# KiCad board Leopold Replacement.kicad_pcb (continued)
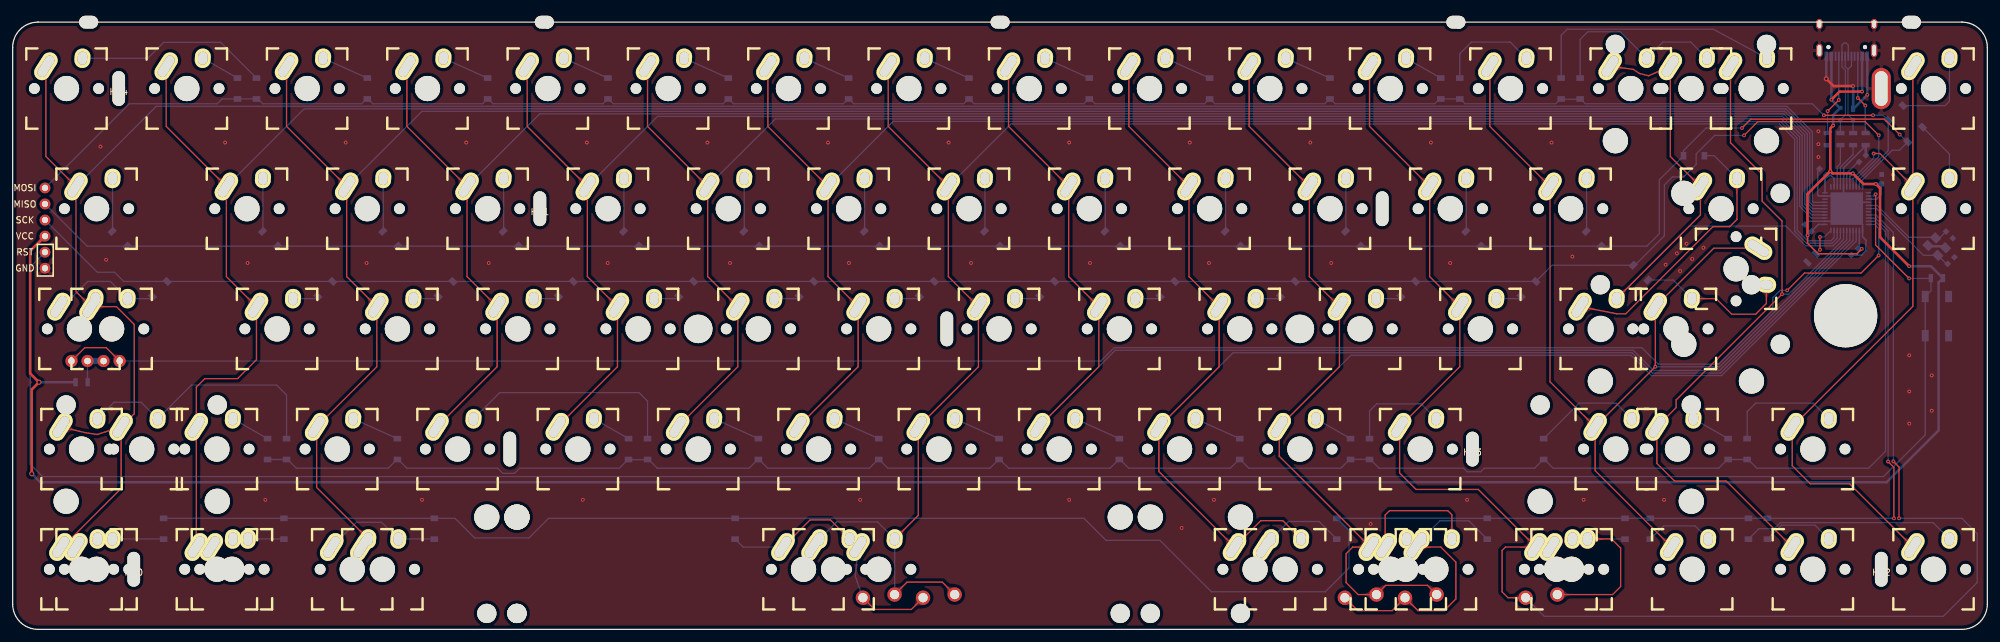
[diagram p0: board, top side]
## Copper pours and planes (outline as drawn; the poured copper is in the pictures) (continued)
Col2 on Top: 43.37,86.58 43.37,86.68 43.38,86.78 43.39,86.87 43.4,86.96 43.42,87.04 43.44,87.12 43.46,87.19 43.48,87.25 43.51,87.31 43.54,87.37 43.57,87.43 43.61,87.48 43.64,87.53 43.68,87.58 44.03,87.97 44.08,88.03 44.12,88.09 44.17,88.15 44.22,88.21 44.26,88.28 44.31,88.36 44.35,88.44 44.4,88.52 43.27,89.69 42.15,88.52 42.19,88.44 42.23,88.36 42.28,88.28 42.32,88.21 42.37,88.15 42.42,88.09 42.46,88.03 42.51,87.97 42.86,87.58 42.9,87.53 42.93,87.48 42.97,87.43 43,87.37 43.03,87.31 43.06,87.25 43.08,87.19 43.1,87.12 43.12,87.04 43.14,86.96 43.15,86.87 43.16,86.78 43.17,86.68 43.17,86.58
Col2 on Top: 50.94,71.75 51.02,71.67 51.08,71.59 51.14,71.52 51.19,71.45 51.24,71.38 51.28,71.32 51.31,71.25 51.34,71.19 51.37,71.12 51.39,71.06 51.4,71 51.42,70.94 51.43,70.87 51.43,70.81 51.46,70.29 51.47,70.22 51.48,70.14 51.49,70.07 51.5,69.99 51.52,69.91 51.54,69.82 51.56,69.74 51.59,69.65 53.22,69.61 53.19,71.24 53.09,71.27 53.01,71.29 52.92,71.31 52.84,71.33 52.76,71.34 52.69,71.35 52.61,71.36 52.54,71.37 52.02,71.4 51.96,71.4 51.89,71.41 51.83,71.43 51.77,71.44 51.71,71.46 51.64,71.49 51.58,71.52 51.51,71.55 51.45,71.59 51.38,71.64 51.31,71.69 51.24,71.75 51.16,71.81 51.09,71.89
Col2 on Top: 52.88,67.57 52.88,67.67 52.88,67.77 52.89,67.86 52.91,67.95 52.92,68.03 52.94,68.11 52.96,68.18 52.99,68.24 53.02,68.3 53.05,68.36 53.08,68.42 53.11,68.47 53.15,68.52 53.19,68.57 53.54,68.96 53.58,69.02 53.63,69.08 53.68,69.14 53.72,69.2 53.77,69.27 53.81,69.35 53.86,69.43 53.9,69.51 52.77,70.68 51.65,69.51 51.69,69.43 51.74,69.35 51.78,69.27 51.83,69.2 51.87,69.14 51.92,69.08 51.97,69.02 52.01,68.96 52.36,68.57 52.4,68.52 52.44,68.47 52.47,68.42 52.5,68.36 52.53,68.3 52.56,68.24 52.59,68.18 52.61,68.11 52.63,68.03 52.64,67.95 52.66,67.86 52.67,67.77 52.67,67.67 52.67,67.57
Col2 on Top: 55.7,52.74 55.77,52.66 55.84,52.58 55.89,52.51 55.95,52.44 55.99,52.37 56.03,52.31 56.07,52.24 56.09,52.18 56.12,52.11 56.14,52.05 56.16,51.99 56.17,51.93 56.18,51.86 56.19,51.8 56.22,51.28 56.22,51.21 56.23,51.13 56.24,51.06 56.25,50.98 56.27,50.9 56.29,50.81 56.32,50.73 56.35,50.64 57.97,50.6 57.94,52.23 57.85,52.26 57.76,52.28 57.67,52.3 57.59,52.32 57.51,52.33 57.44,52.34 57.36,52.35 57.29,52.36 56.77,52.39 56.71,52.39 56.65,52.4 56.58,52.42 56.52,52.43 56.46,52.45 56.4,52.48 56.33,52.51 56.27,52.54 56.2,52.58 56.13,52.63 56.06,52.68 55.99,52.74 55.91,52.8 55.84,52.88
Col2 on Top: 49.71,33.87 49.64,33.79 49.56,33.73 49.49,33.67 49.42,33.62 49.35,33.57 49.28,33.53 49.22,33.5 49.15,33.47 49.09,33.44 49.03,33.42 48.97,33.41 48.9,33.39 48.84,33.38 48.78,33.38 48.26,33.35 48.19,33.34 48.11,33.33 48.04,33.32 47.96,33.31 47.88,33.29 47.79,33.27 47.7,33.25 47.61,33.22 47.58,31.59 49.2,31.63 49.23,31.72 49.26,31.8 49.28,31.89 49.3,31.97 49.31,32.05 49.32,32.12 49.33,32.2 49.33,32.27 49.36,32.79 49.37,32.85 49.38,32.92 49.39,32.98 49.41,33.04 49.43,33.1 49.46,33.17 49.48,33.23 49.52,33.3 49.56,33.36 49.6,33.43 49.66,33.5 49.71,33.57 49.78,33.65 49.85,33.73
Col2 on Bottom: 54.46,71.89 54.39,71.81 54.31,71.75 54.24,71.69 54.17,71.64 54.1,71.59 54.04,71.55 53.97,71.52 53.91,71.49 53.84,71.46 53.78,71.44 53.72,71.43 53.66,71.41 53.59,71.4 53.53,71.4 53.01,71.37 52.94,71.36 52.86,71.35 52.79,71.34 52.71,71.33 52.63,71.31 52.54,71.29 52.46,71.27 52.36,71.24 52.33,69.61 53.96,69.65 53.99,69.74 54.01,69.82 54.03,69.91 54.05,69.99 54.06,70.07 54.07,70.14 54.08,70.22 54.09,70.29 54.12,70.81 54.12,70.87 54.13,70.94 54.15,71 54.16,71.06 54.18,71.12 54.21,71.19 54.24,71.25 54.27,71.32 54.31,71.38 54.36,71.45 54.41,71.52 54.47,71.59 54.53,71.67 54.61,71.75
Col3 on Top: 71.89,67.57 71.89,67.67 71.89,67.77 71.9,67.86 71.92,67.95 71.93,68.03 71.95,68.11 71.97,68.18 72,68.24 72.03,68.3 72.06,68.36 72.09,68.42 72.12,68.47 72.16,68.52 72.2,68.57 72.55,68.96 72.59,69.02 72.64,69.08 72.69,69.14 72.73,69.2 72.78,69.27 72.82,69.35 72.87,69.43 72.91,69.51 71.78,70.68 70.66,69.51 70.7,69.43 70.75,69.35 70.79,69.27 70.84,69.2 70.88,69.14 70.93,69.08 70.98,69.02 71.02,68.96 71.37,68.57 71.41,68.52 71.45,68.47 71.48,68.42 71.51,68.36 71.54,68.3 71.57,68.24 71.6,68.18 71.62,68.11 71.64,68.03 71.65,67.95 71.67,67.86 71.68,67.77 71.68,67.67 71.69,67.57
Col3 on Top: 68.72,33.87 68.65,33.79 68.57,33.73 68.5,33.67 68.43,33.62 68.36,33.57 68.29,33.53 68.23,33.5 68.16,33.47 68.1,33.44 68.04,33.42 67.98,33.41 67.91,33.39 67.85,33.38 67.79,33.38 67.27,33.35 67.2,33.34 67.12,33.33 67.05,33.32 66.97,33.31 66.89,33.29 66.8,33.27 66.71,33.25 66.62,33.22 66.59,31.59 68.21,31.63 68.24,31.72 68.27,31.8 68.29,31.89 68.31,31.97 68.32,32.05 68.33,32.12 68.34,32.2 68.34,32.27 68.37,32.79 68.38,32.85 68.39,32.92 68.4,32.98 68.42,33.04 68.44,33.1 68.47,33.17 68.49,33.23 68.53,33.3 68.57,33.36 68.61,33.43 68.67,33.5 68.72,33.57 68.79,33.65 68.86,33.73
Col3 on Top: 69.95,71.75 70.03,71.67 70.09,71.59 70.15,71.52 70.2,71.45 70.25,71.38 70.29,71.32 70.32,71.25 70.35,71.19 70.38,71.12 70.4,71.06 70.41,71 70.43,70.94 70.44,70.87 70.44,70.81 70.47,70.29 70.48,70.22 70.49,70.14 70.5,70.07 70.51,69.99 70.53,69.91 70.55,69.82 70.57,69.74 70.6,69.65 72.23,69.61 72.2,71.24 72.1,71.27 72.02,71.29 71.93,71.31 71.85,71.33 71.77,71.34 71.7,71.35 71.62,71.36 71.55,71.37 71.03,71.4 70.97,71.4 70.9,71.41 70.84,71.43 70.78,71.44 70.72,71.46 70.65,71.49 70.59,71.52 70.52,71.55 70.46,71.59 70.39,71.64 70.32,71.69 70.25,71.75 70.17,71.81 70.1,71.89
Col3 on Top: 76.64,48.56 76.64,48.66 76.65,48.76 76.65,48.85 76.67,48.94 76.68,49.02 76.7,49.1 76.73,49.17 76.75,49.23 76.78,49.29 76.81,49.35 76.84,49.41 76.88,49.46 76.91,49.51 76.95,49.56 77.3,49.95 77.35,50.01 77.39,50.07 77.44,50.13 77.48,50.19 77.53,50.26 77.58,50.34 77.62,50.42 77.66,50.5 76.54,51.67 75.41,50.5 75.46,50.42 75.5,50.34 75.54,50.26 75.59,50.19 75.64,50.13 75.68,50.07 75.73,50.01 75.78,49.95 76.12,49.56 76.16,49.51 76.2,49.46 76.23,49.41 76.27,49.35 76.3,49.29 76.32,49.23 76.35,49.17 76.37,49.1 76.39,49.02 76.41,48.94 76.42,48.85 76.43,48.76 76.44,48.66 76.44,48.56
Col3 on Top: 74.71,52.74 74.78,52.66 74.85,52.58 74.9,52.51 74.96,52.44 75,52.37 75.04,52.31 75.08,52.24 75.1,52.18 75.13,52.11 75.15,52.05 75.17,51.99 75.18,51.93 75.19,51.86 75.2,51.8 75.23,51.28 75.23,51.21 75.24,51.13 75.25,51.06 75.26,50.98 75.28,50.9 75.3,50.81 75.33,50.73 75.36,50.64 76.98,50.6 76.95,52.23 76.86,52.26 76.77,52.28 76.68,52.3 76.6,52.32 76.52,52.33 76.45,52.34 76.37,52.35 76.3,52.36 75.78,52.39 75.72,52.39 75.66,52.4 75.59,52.42 75.53,52.43 75.47,52.45 75.41,52.48 75.34,52.51 75.28,52.54 75.21,52.58 75.14,52.63 75.07,52.68 75,52.74 74.92,52.8 74.85,52.88
Col3 on Top: 62.38,86.58 62.38,86.68 62.39,86.78 62.4,86.87 62.41,86.96 62.43,87.04 62.45,87.12 62.47,87.19 62.49,87.25 62.52,87.31 62.55,87.37 62.58,87.43 62.62,87.48 62.65,87.53 62.69,87.58 63.04,87.97 63.09,88.03 63.13,88.09 63.18,88.15 63.23,88.21 63.27,88.28 63.32,88.36 63.36,88.44 63.41,88.52 62.28,89.69 61.16,88.52 61.2,88.44 61.24,88.36 61.29,88.28 61.33,88.21 61.38,88.15 61.43,88.09 61.47,88.03 61.52,87.97 61.87,87.58 61.91,87.53 61.94,87.48 61.98,87.43 62.01,87.37 62.04,87.31 62.07,87.25 62.09,87.19 62.11,87.12 62.13,87.04 62.15,86.96 62.16,86.87 62.17,86.78 62.18,86.68 62.18,86.58
Col3 on Bottom: 73.47,71.89 73.4,71.81 73.32,71.75 73.25,71.69 73.18,71.64 73.11,71.59 73.05,71.55 72.98,71.52 72.92,71.49 72.85,71.46 72.79,71.44 72.73,71.43 72.67,71.41 72.6,71.4 72.54,71.4 72.02,71.37 71.95,71.36 71.87,71.35 71.8,71.34 71.72,71.33 71.64,71.31 71.55,71.29 71.47,71.27 71.37,71.24 71.34,69.61 72.97,69.65 73,69.74 73.02,69.82 73.04,69.91 73.06,69.99 73.07,70.07 73.08,70.14 73.09,70.22 73.1,70.29 73.13,70.81 73.13,70.87 73.14,70.94 73.16,71 73.17,71.06 73.19,71.12 73.22,71.19 73.25,71.25 73.28,71.32 73.32,71.38 73.37,71.45 73.42,71.52 73.48,71.59 73.54,71.67 73.62,71.75
Col4 on Top: 81.39,86.58 81.39,86.68 81.4,86.78 81.41,86.87 81.42,86.96 81.44,87.04 81.46,87.12 81.48,87.19 81.5,87.25 81.53,87.31 81.56,87.37 81.59,87.43 81.63,87.48 81.66,87.53 81.7,87.58 82.05,87.97 82.1,88.03 82.14,88.09 82.19,88.15 82.24,88.21 82.28,88.28 82.33,88.36 82.37,88.44 82.42,88.52 81.29,89.69 80.17,88.52 80.21,88.44 80.25,88.36 80.3,88.28 80.34,88.21 80.39,88.15 80.44,88.09 80.48,88.03 80.53,87.97 80.88,87.58 80.92,87.53 80.95,87.48 80.99,87.43 81.02,87.37 81.05,87.31 81.08,87.25 81.1,87.19 81.12,87.12 81.14,87.04 81.16,86.96 81.17,86.87 81.18,86.78 81.19,86.68 81.19,86.58
Col4 on Top: 88.96,71.75 89.04,71.67 89.1,71.59 89.16,71.52 89.21,71.45 89.26,71.38 89.3,71.32 89.33,71.25 89.36,71.19 89.39,71.12 89.41,71.06 89.42,71 89.44,70.94 89.45,70.87 89.45,70.81 89.48,70.29 89.49,70.22 89.5,70.14 89.51,70.07 89.52,69.99 89.54,69.91 89.56,69.82 89.58,69.74 89.61,69.65 91.24,69.61 91.21,71.24 91.11,71.27 91.03,71.29 90.94,71.31 90.86,71.33 90.78,71.34 90.71,71.35 90.63,71.36 90.56,71.37 90.04,71.4 89.98,71.4 89.91,71.41 89.85,71.43 89.79,71.44 89.73,71.46 89.66,71.49 89.6,71.52 89.53,71.55 89.47,71.59 89.4,71.64 89.33,71.69 89.26,71.75 89.18,71.81 89.11,71.89
Col4 on Top: 93.72,52.74 93.79,52.66 93.86,52.58 93.91,52.51 93.97,52.44 94.01,52.37 94.05,52.31 94.09,52.24 94.11,52.18 94.14,52.11 94.16,52.05 94.18,51.99 94.19,51.93 94.2,51.86 94.21,51.8 94.24,51.28 94.24,51.21 94.25,51.13 94.26,51.06 94.27,50.98 94.29,50.9 94.31,50.81 94.34,50.73 94.37,50.64 95.99,50.6 95.96,52.23 95.87,52.26 95.78,52.28 95.69,52.3 95.61,52.32 95.53,52.33 95.46,52.34 95.38,52.35 95.31,52.36 94.79,52.39 94.73,52.39 94.67,52.4 94.6,52.42 94.54,52.43 94.48,52.45 94.42,52.48 94.35,52.51 94.29,52.54 94.22,52.58 94.15,52.63 94.08,52.68 94.01,52.74 93.93,52.8 93.86,52.88
Col4 on Top: 95.65,48.56 95.65,48.66 95.66,48.76 95.66,48.85 95.68,48.94 95.69,49.02 95.71,49.1 95.74,49.17 95.76,49.23 95.79,49.29 95.82,49.35 95.85,49.41 95.89,49.46 95.92,49.51 95.96,49.56 96.31,49.95 96.36,50.01 96.4,50.07 96.45,50.13 96.49,50.19 96.54,50.26 96.59,50.34 96.63,50.42 96.67,50.5 95.55,51.67 94.42,50.5 94.47,50.42 94.51,50.34 94.55,50.26 94.6,50.19 94.65,50.13 94.69,50.07 94.74,50.01 94.79,49.95 95.13,49.56 95.17,49.51 95.21,49.46 95.24,49.41 95.28,49.35 95.31,49.29 95.33,49.23 95.36,49.17 95.38,49.1 95.4,49.02 95.42,48.94 95.43,48.85 95.44,48.76 95.45,48.66 95.45,48.56
Col4 on Top: 87.73,33.87 87.66,33.79 87.58,33.73 87.51,33.67 87.44,33.62 87.37,33.57 87.3,33.53 87.24,33.5 87.17,33.47 87.11,33.44 87.05,33.42 86.99,33.41 86.92,33.39 86.86,33.38 86.8,33.38 86.28,33.35 86.21,33.34 86.13,33.33 86.06,33.32 85.98,33.31 85.9,33.29 85.81,33.27 85.72,33.25 85.63,33.22 85.6,31.59 87.22,31.63 87.25,31.72 87.28,31.8 87.3,31.89 87.32,31.97 87.33,32.05 87.34,32.12 87.35,32.2 87.35,32.27 87.38,32.79 87.39,32.85 87.4,32.92 87.41,32.98 87.43,33.04 87.45,33.1 87.48,33.17 87.5,33.23 87.54,33.3 87.58,33.36 87.62,33.43 87.68,33.5 87.73,33.57 87.8,33.65 87.87,33.73
Col4 on Top: 90.89,67.57 90.9,67.67 90.9,67.77 90.91,67.86 90.93,67.95 90.94,68.03 90.96,68.11 90.98,68.18 91.01,68.24 91.04,68.3 91.07,68.36 91.1,68.42 91.13,68.47 91.17,68.52 91.21,68.57 91.56,68.96 91.6,69.02 91.65,69.08 91.7,69.14 91.74,69.2 91.79,69.27 91.83,69.35 91.88,69.43 91.92,69.51 90.8,70.68 89.67,69.51 89.71,69.43 89.76,69.35 89.8,69.27 89.85,69.2 89.89,69.14 89.94,69.08 89.99,69.02 90.03,68.96 90.38,68.57 90.42,68.52 90.46,68.47 90.49,68.42 90.52,68.36 90.55,68.3 90.58,68.24 90.61,68.18 90.63,68.11 90.65,68.03 90.66,67.95 90.68,67.86 90.69,67.77 90.69,67.67 90.69,67.57
Col4 on Bottom: 92.48,71.89 92.41,71.81 92.33,71.75 92.26,71.69 92.19,71.64 92.12,71.59 92.06,71.55 91.99,71.52 91.93,71.49 91.86,71.46 91.8,71.44 91.74,71.43 91.68,71.41 91.61,71.4 91.55,71.4 91.03,71.37 90.96,71.36 90.88,71.35 90.81,71.34 90.73,71.33 90.65,71.31 90.56,71.29 90.48,71.27 90.38,71.24 90.35,69.61 91.98,69.65 92.01,69.74 92.03,69.82 92.05,69.91 92.07,69.99 92.08,70.07 92.09,70.14 92.1,70.22 92.11,70.29 92.14,70.81 92.14,70.87 92.15,70.94 92.17,71 92.18,71.06 92.2,71.12 92.23,71.19 92.26,71.25 92.29,71.32 92.33,71.38 92.38,71.45 92.43,71.52 92.49,71.59 92.55,71.67 92.63,71.75
Col5 on Top: 100.4,86.58 100.4,86.68 100.41,86.78 100.42,86.87 100.43,86.96 100.45,87.04 100.47,87.12 100.49,87.19 100.51,87.25 100.54,87.31 100.57,87.37 100.6,87.43 100.64,87.48 100.67,87.53 100.71,87.58 101.06,87.97 101.11,88.03 101.15,88.09 101.2,88.15 101.25,88.21 101.29,88.28 101.34,88.36 101.38,88.44 101.42,88.52 100.3,89.69 99.17,88.52 99.22,88.44 99.26,88.36 99.31,88.28 99.35,88.21 99.4,88.15 99.45,88.09 99.49,88.03 99.54,87.97 99.89,87.58 99.93,87.53 99.96,87.48 100,87.43 100.03,87.37 100.06,87.31 100.09,87.25 100.11,87.19 100.13,87.12 100.15,87.04 100.17,86.96 100.18,86.87 100.19,86.78 100.2,86.68 100.2,86.58
Col5 on Top: 106.74,33.87 106.67,33.79 106.59,33.73 106.52,33.67 106.45,33.62 106.38,33.57 106.31,33.53 106.25,33.5 106.18,33.47 106.12,33.44 106.06,33.42 106,33.41 105.93,33.39 105.87,33.38 105.81,33.38 105.29,33.35 105.22,33.34 105.14,33.33 105.07,33.32 104.99,33.31 104.91,33.29 104.82,33.27 104.73,33.25 104.64,33.22 104.61,31.59 106.23,31.63 106.26,31.72 106.29,31.8 106.31,31.89 106.33,31.97 106.34,32.05 106.35,32.12 106.36,32.2 106.36,32.27 106.39,32.79 106.4,32.85 106.41,32.92 106.42,32.98 106.44,33.04 106.46,33.1 106.49,33.17 106.51,33.23 106.55,33.3 106.59,33.36 106.63,33.43 106.69,33.5 106.74,33.57 106.81,33.65 106.88,33.73
Col5 on Top: 107.97,71.75 108.05,71.67 108.11,71.59 108.17,71.52 108.22,71.45 108.27,71.38 108.31,71.32 108.34,71.25 108.37,71.19 108.4,71.12 108.42,71.06 108.43,71 108.45,70.94 108.46,70.87 108.46,70.81 108.49,70.29 108.5,70.22 108.51,70.14 108.52,70.07 108.53,69.99 108.55,69.91 108.57,69.82 108.59,69.74 108.62,69.65 110.25,69.61 110.22,71.24 110.12,71.27 110.04,71.29 109.95,71.31 109.87,71.33 109.79,71.34 109.72,71.35 109.64,71.36 109.57,71.37 109.05,71.4 108.99,71.4 108.92,71.41 108.86,71.43 108.8,71.44 108.74,71.46 108.67,71.49 108.61,71.52 108.54,71.55 108.48,71.59 108.41,71.64 108.34,71.69 108.27,71.75 108.19,71.81 108.12,71.89
Col5 on Top: 114.66,48.56 114.66,48.66 114.67,48.76 114.67,48.85 114.69,48.94 114.7,49.02 114.72,49.1 114.75,49.17 114.77,49.23 114.8,49.29 114.83,49.35 114.86,49.41 114.9,49.46 114.93,49.51 114.97,49.56 115.32,49.95 115.37,50.01 115.41,50.07 115.46,50.13 115.5,50.19 115.55,50.26 115.6,50.34 115.64,50.42 115.68,50.5 114.56,51.67 113.43,50.5 113.48,50.42 113.52,50.34 113.56,50.26 113.61,50.19 113.66,50.13 113.7,50.07 113.75,50.01 113.8,49.95 114.14,49.56 114.18,49.51 114.22,49.46 114.25,49.41 114.29,49.35 114.32,49.29 114.34,49.23 114.37,49.17 114.39,49.1 114.41,49.02 114.43,48.94 114.44,48.85 114.45,48.76 114.46,48.66 114.46,48.56
Col5 on Top: 112.73,52.74 112.8,52.66 112.87,52.58 112.92,52.51 112.98,52.44 113.02,52.37 113.06,52.31 113.1,52.24 113.12,52.18 113.15,52.11 113.17,52.05 113.19,51.99 113.2,51.93 113.21,51.86 113.22,51.8 113.25,51.28 113.25,51.21 113.26,51.13 113.27,51.06 113.28,50.98 113.3,50.9 113.32,50.81 113.35,50.73 113.38,50.64 115,50.6 114.97,52.23 114.88,52.26 114.79,52.28 114.7,52.3 114.62,52.32 114.54,52.33 114.47,52.34 114.39,52.35 114.32,52.36 113.8,52.39 113.74,52.39 113.68,52.4 113.61,52.42 113.55,52.43 113.49,52.45 113.43,52.48 113.36,52.51 113.3,52.54 113.23,52.58 113.16,52.63 113.09,52.68 113.02,52.74 112.94,52.8 112.87,52.88
Col5 on Top: 109.91,67.57 109.91,67.67 109.91,67.77 109.92,67.86 109.94,67.95 109.95,68.03 109.97,68.11 109.99,68.18 110.02,68.24 110.05,68.3 110.08,68.36 110.11,68.42 110.14,68.47 110.18,68.52 110.22,68.57 110.57,68.96 110.61,69.02 110.66,69.08 110.71,69.14 110.75,69.2 110.8,69.27 110.84,69.35 110.89,69.43 110.93,69.51 109.81,70.68 108.68,69.51 108.72,69.43 108.77,69.35 108.81,69.27 108.86,69.2 108.9,69.14 108.95,69.08 109,69.02 109.04,68.96 109.39,68.57 109.43,68.52 109.47,68.47 109.5,68.42 109.53,68.36 109.56,68.3 109.59,68.24 109.62,68.18 109.64,68.11 109.66,68.03 109.67,67.95 109.69,67.86 109.7,67.77 109.7,67.67 109.7,67.57
Col5 on Bottom: 111.49,71.89 111.42,71.81 111.34,71.75 111.27,71.69 111.2,71.64 111.13,71.59 111.07,71.55 111,71.52 110.94,71.49 110.87,71.46 110.81,71.44 110.75,71.43 110.69,71.41 110.62,71.4 110.56,71.4 110.04,71.37 109.97,71.36 109.89,71.35 109.82,71.34 109.74,71.33 109.66,71.31 109.57,71.29 109.49,71.27 109.39,71.24 109.36,69.61 110.99,69.65 111.02,69.74 111.04,69.82 111.06,69.91 111.08,69.99 111.09,70.07 111.1,70.14 111.11,70.22 111.12,70.29 111.15,70.81 111.15,70.87 111.16,70.94 111.18,71 111.19,71.06 111.21,71.12 111.24,71.19 111.27,71.25 111.3,71.32 111.34,71.38 111.39,71.45 111.44,71.52 111.5,71.59 111.56,71.67 111.64,71.75
Col6 on Top: 125.75,33.87 125.68,33.79 125.6,33.73 125.53,33.67 125.46,33.62 125.39,33.57 125.32,33.53 125.26,33.5 125.19,33.47 125.13,33.44 125.07,33.42 125.01,33.41 124.94,33.39 124.88,33.38 124.82,33.38 124.3,33.35 124.23,33.34 124.15,33.33 124.08,33.32 124,33.31 123.92,33.29 123.83,33.27 123.74,33.25 123.65,33.22 123.62,31.59 125.24,31.63 125.27,31.72 125.3,31.8 125.32,31.89 125.34,31.97 125.35,32.05 125.36,32.12 125.37,32.2 125.37,32.27 125.4,32.79 125.41,32.85 125.42,32.92 125.43,32.98 125.45,33.04 125.47,33.1 125.5,33.17 125.52,33.23 125.56,33.3 125.6,33.36 125.64,33.43 125.7,33.5 125.75,33.57 125.82,33.65 125.89,33.73
Col6 on Top: 133.67,48.56 133.67,48.66 133.68,48.76 133.68,48.85 133.7,48.94 133.71,49.02 133.73,49.1 133.76,49.17 133.78,49.23 133.81,49.29 133.84,49.35 133.87,49.41 133.91,49.46 133.94,49.51 133.98,49.56 134.33,49.95 134.38,50.01 134.42,50.07 134.47,50.13 134.51,50.19 134.56,50.26 134.61,50.34 134.65,50.42 134.69,50.5 133.57,51.67 132.44,50.5 132.49,50.42 132.53,50.34 132.57,50.26 132.62,50.19 132.67,50.13 132.71,50.07 132.76,50.01 132.81,49.95 133.15,49.56 133.19,49.51 133.23,49.46 133.26,49.41 133.3,49.35 133.33,49.29 133.35,49.23 133.38,49.17 133.4,49.1 133.42,49.02 133.44,48.94 133.45,48.85 133.46,48.76 133.47,48.66 133.47,48.56
Col6 on Top: 126.98,71.75 127.06,71.67 127.12,71.59 127.18,71.52 127.23,71.45 127.28,71.38 127.32,71.32 127.35,71.25 127.38,71.19 127.41,71.12 127.43,71.06 127.44,71 127.46,70.94 127.47,70.87 127.47,70.81 127.5,70.29 127.51,70.22 127.52,70.14 127.53,70.07 127.54,69.99 127.56,69.91 127.58,69.82 127.6,69.74 127.63,69.65 129.26,69.61 129.23,71.24 129.13,71.27 129.05,71.29 128.96,71.31 128.88,71.33 128.8,71.34 128.73,71.35 128.65,71.36 128.58,71.37 128.06,71.4 128,71.4 127.93,71.41 127.87,71.43 127.81,71.44 127.75,71.46 127.68,71.49 127.62,71.52 127.55,71.55 127.49,71.59 127.42,71.64 127.35,71.69 127.28,71.75 127.2,71.81 127.13,71.89
Col6 on Top: 119.41,86.58 119.41,86.68 119.42,86.78 119.43,86.87 119.44,86.96 119.46,87.04 119.48,87.12 119.5,87.19 119.52,87.25 119.55,87.31 119.58,87.37 119.61,87.43 119.65,87.48 119.68,87.53 119.72,87.58 120.07,87.97 120.12,88.03 120.16,88.09 120.21,88.15 120.26,88.21 120.3,88.28 120.35,88.36 120.39,88.44 120.44,88.52 119.31,89.69 118.19,88.52 118.23,88.44 118.27,88.36 118.32,88.28 118.36,88.21 118.41,88.15 118.46,88.09 118.5,88.03 118.55,87.97 118.9,87.58 118.94,87.53 118.97,87.48 119.01,87.43 119.04,87.37 119.07,87.31 119.1,87.25 119.12,87.19 119.14,87.12 119.16,87.04 119.18,86.96 119.19,86.87 119.2,86.78 119.21,86.68 119.21,86.58
Col6 on Top: 128.91,67.57 128.92,67.67 128.92,67.77 128.93,67.86 128.95,67.95 128.96,68.03 128.98,68.11 129,68.18 129.03,68.24 129.06,68.3 129.09,68.36 129.12,68.42 129.15,68.47 129.19,68.52 129.23,68.57 129.58,68.96 129.62,69.02 129.67,69.08 129.72,69.14 129.76,69.2 129.81,69.27 129.85,69.35 129.9,69.43 129.94,69.51 128.81,70.68 127.69,69.51 127.73,69.43 127.78,69.35 127.82,69.27 127.87,69.2 127.91,69.14 127.96,69.08 128.01,69.02 128.05,68.96 128.4,68.57 128.44,68.52 128.48,68.47 128.51,68.42 128.54,68.36 128.57,68.3 128.6,68.24 128.63,68.18 128.65,68.11 128.67,68.03 128.68,67.95 128.7,67.86 128.71,67.77 128.71,67.67 128.72,67.57
Col6 on Top: 131.74,52.74 131.81,52.66 131.88,52.58 131.93,52.51 131.99,52.44 132.03,52.37 132.07,52.31 132.11,52.24 132.13,52.18 132.16,52.11 132.18,52.05 132.2,51.99 132.21,51.93 132.22,51.86 132.23,51.8 132.26,51.28 132.26,51.21 132.27,51.13 132.28,51.06 132.29,50.98 132.31,50.9 132.33,50.81 132.36,50.73 132.39,50.64 134.01,50.6 133.98,52.23 133.89,52.26 133.8,52.28 133.71,52.3 133.63,52.32 133.55,52.33 133.48,52.34 133.4,52.35 133.33,52.36 132.81,52.39 132.75,52.39 132.69,52.4 132.62,52.42 132.56,52.43 132.5,52.45 132.44,52.48 132.37,52.51 132.31,52.54 132.24,52.58 132.17,52.63 132.1,52.68 132.03,52.74 131.95,52.8 131.88,52.88
Col6 on Bottom: 130.5,71.89 130.43,71.81 130.35,71.75 130.28,71.69 130.21,71.64 130.14,71.59 130.08,71.55 130.01,71.52 129.95,71.49 129.88,71.46 129.82,71.44 129.76,71.43 129.7,71.41 129.63,71.4 129.57,71.4 129.05,71.37 128.98,71.36 128.9,71.35 128.83,71.34 128.75,71.33 128.67,71.31 128.58,71.29 128.5,71.27 128.4,71.24 128.37,69.61 130,69.65 130.03,69.74 130.05,69.82 130.07,69.91 130.09,69.99 130.1,70.07 130.11,70.14 130.12,70.22 130.13,70.29 130.16,70.81 130.16,70.87 130.17,70.94 130.19,71 130.2,71.06 130.22,71.12 130.25,71.19 130.28,71.25 130.31,71.32 130.35,71.38 130.4,71.45 130.45,71.52 130.51,71.59 130.57,71.67 130.65,71.75
Col7 on Top: 145.99,71.75 146.07,71.67 146.13,71.59 146.19,71.52 146.24,71.45 146.29,71.38 146.33,71.32 146.36,71.25 146.39,71.19 146.42,71.12 146.44,71.06 146.45,71 146.47,70.94 146.48,70.87 146.48,70.81 146.51,70.29 146.52,70.22 146.53,70.14 146.54,70.07 146.55,69.99 146.57,69.91 146.59,69.82 146.61,69.74 146.64,69.65 148.27,69.61 148.24,71.24 148.14,71.27 148.06,71.29 147.97,71.31 147.89,71.33 147.81,71.34 147.74,71.35 147.66,71.36 147.59,71.37 147.07,71.4 147.01,71.4 146.94,71.41 146.88,71.43 146.82,71.44 146.76,71.46 146.69,71.49 146.63,71.52 146.56,71.55 146.5,71.59 146.43,71.64 146.36,71.69 146.29,71.75 146.21,71.81 146.14,71.89
Col7 on Top: 138.42,86.58 138.42,86.68 138.43,86.78 138.44,86.87 138.45,86.96 138.47,87.04 138.49,87.12 138.51,87.19 138.53,87.25 138.56,87.31 138.59,87.37 138.62,87.43 138.66,87.48 138.69,87.53 138.73,87.58 139.08,87.97 139.13,88.03 139.17,88.09 139.22,88.15 139.27,88.21 139.31,88.28 139.36,88.36 139.4,88.44 139.44,88.52 138.32,89.69 137.19,88.52 137.24,88.44 137.28,88.36 137.33,88.28 137.37,88.21 137.42,88.15 137.47,88.09 137.51,88.03 137.56,87.97 137.91,87.58 137.95,87.53 137.98,87.48 138.02,87.43 138.05,87.37 138.08,87.31 138.11,87.25 138.13,87.19 138.15,87.12 138.17,87.04 138.19,86.96 138.2,86.87 138.21,86.78 138.22,86.68 138.22,86.58
Col7 on Top: 150.75,52.74 150.82,52.66 150.89,52.58 150.94,52.51 151,52.44 151.04,52.37 151.08,52.31 151.12,52.24 151.14,52.18 151.17,52.11 151.19,52.05 151.21,51.99 151.22,51.93 151.23,51.86 151.24,51.8 151.27,51.28 151.27,51.21 151.28,51.13 151.29,51.06 151.3,50.98 151.32,50.9 151.34,50.81 151.37,50.73 151.4,50.64 153.02,50.6 152.99,52.23 152.9,52.26 152.81,52.28 152.72,52.3 152.64,52.32 152.56,52.33 152.49,52.34 152.41,52.35 152.34,52.36 151.82,52.39 151.76,52.39 151.7,52.4 151.63,52.42 151.57,52.43 151.51,52.45 151.45,52.48 151.38,52.51 151.32,52.54 151.25,52.58 151.18,52.63 151.11,52.68 151.04,52.74 150.96,52.8 150.89,52.88
Col7 on Top: 147.93,67.57 147.93,67.67 147.93,67.77 147.94,67.86 147.96,67.95 147.97,68.03 147.99,68.11 148.01,68.18 148.04,68.24 148.07,68.3 148.1,68.36 148.13,68.42 148.16,68.47 148.2,68.52 148.24,68.57 148.59,68.96 148.63,69.02 148.68,69.08 148.73,69.14 148.77,69.2 148.82,69.27 148.86,69.35 148.91,69.43 148.95,69.51 147.82,70.68 146.7,69.51 146.74,69.43 146.79,69.35 146.83,69.27 146.88,69.2 146.92,69.14 146.97,69.08 147.02,69.02 147.06,68.96 147.41,68.57 147.45,68.52 147.49,68.47 147.52,68.42 147.55,68.36 147.58,68.3 147.61,68.24 147.64,68.18 147.66,68.11 147.68,68.03 147.69,67.95 147.71,67.86 147.72,67.77 147.72,67.67 147.72,67.57
Col7 on Top: 144.76,33.87 144.69,33.79 144.61,33.73 144.54,33.67 144.47,33.62 144.4,33.57 144.33,33.53 144.27,33.5 144.2,33.47 144.14,33.44 144.08,33.42 144.02,33.41 143.95,33.39 143.89,33.38 143.83,33.38 143.31,33.35 143.24,33.34 143.16,33.33 143.09,33.32 143.01,33.31 142.93,33.29 142.84,33.27 142.75,33.25 142.66,33.22 142.63,31.59 144.25,31.63 144.28,31.72 144.31,31.8 144.33,31.89 144.35,31.97 144.36,32.05 144.37,32.12 144.38,32.2 144.38,32.27 144.41,32.79 144.42,32.85 144.43,32.92 144.44,32.98 144.46,33.04 144.48,33.1 144.51,33.17 144.53,33.23 144.57,33.3 144.61,33.36 144.65,33.43 144.71,33.5 144.76,33.57 144.83,33.65 144.9,33.73
Col7 on Top: 152.68,48.56 152.68,48.66 152.69,48.76 152.69,48.85 152.71,48.94 152.72,49.02 152.74,49.1 152.77,49.17 152.79,49.23 152.82,49.29 152.85,49.35 152.88,49.41 152.92,49.46 152.95,49.51 152.99,49.56 153.34,49.95 153.39,50.01 153.43,50.07 153.48,50.13 153.52,50.19 153.57,50.26 153.62,50.34 153.66,50.42 153.7,50.5 152.58,51.67 151.45,50.5 151.5,50.42 151.54,50.34 151.58,50.26 151.63,50.19 151.68,50.13 151.72,50.07 151.77,50.01 151.82,49.95 152.16,49.56 152.2,49.51 152.24,49.46 152.27,49.41 152.31,49.35 152.34,49.29 152.36,49.23 152.39,49.17 152.41,49.1 152.43,49.02 152.45,48.94 152.46,48.85 152.47,48.76 152.48,48.66 152.48,48.56
Col7 on Top: 140.84,7.16 140.77,7.1 140.7,7.04 140.64,6.98 140.58,6.94 140.51,6.9 140.45,6.86 140.4,6.83 140.34,6.8 140.28,6.78 140.22,6.76 140.17,6.75 140.11,6.73 140.06,6.73 139.47,6.68 139.4,6.67 139.33,6.66 139.26,6.65 139.19,6.64 139.11,6.62 139.03,6.59 138.95,6.57 138.92,5.11 140.38,5.14 140.41,5.22 140.43,5.3 140.45,5.37 140.47,5.45 140.48,5.52 140.49,5.58 140.5,5.65 140.54,6.24 140.55,6.3 140.56,6.35 140.58,6.41 140.6,6.46 140.62,6.52 140.65,6.58 140.68,6.64 140.71,6.7 140.75,6.76 140.8,6.82 140.85,6.89 140.91,6.95 140.98,7.02